# Allegro board RK_EVB7_RK3588_LP4XD200P232SD8_V11_20230111YWQ.brd (continued)
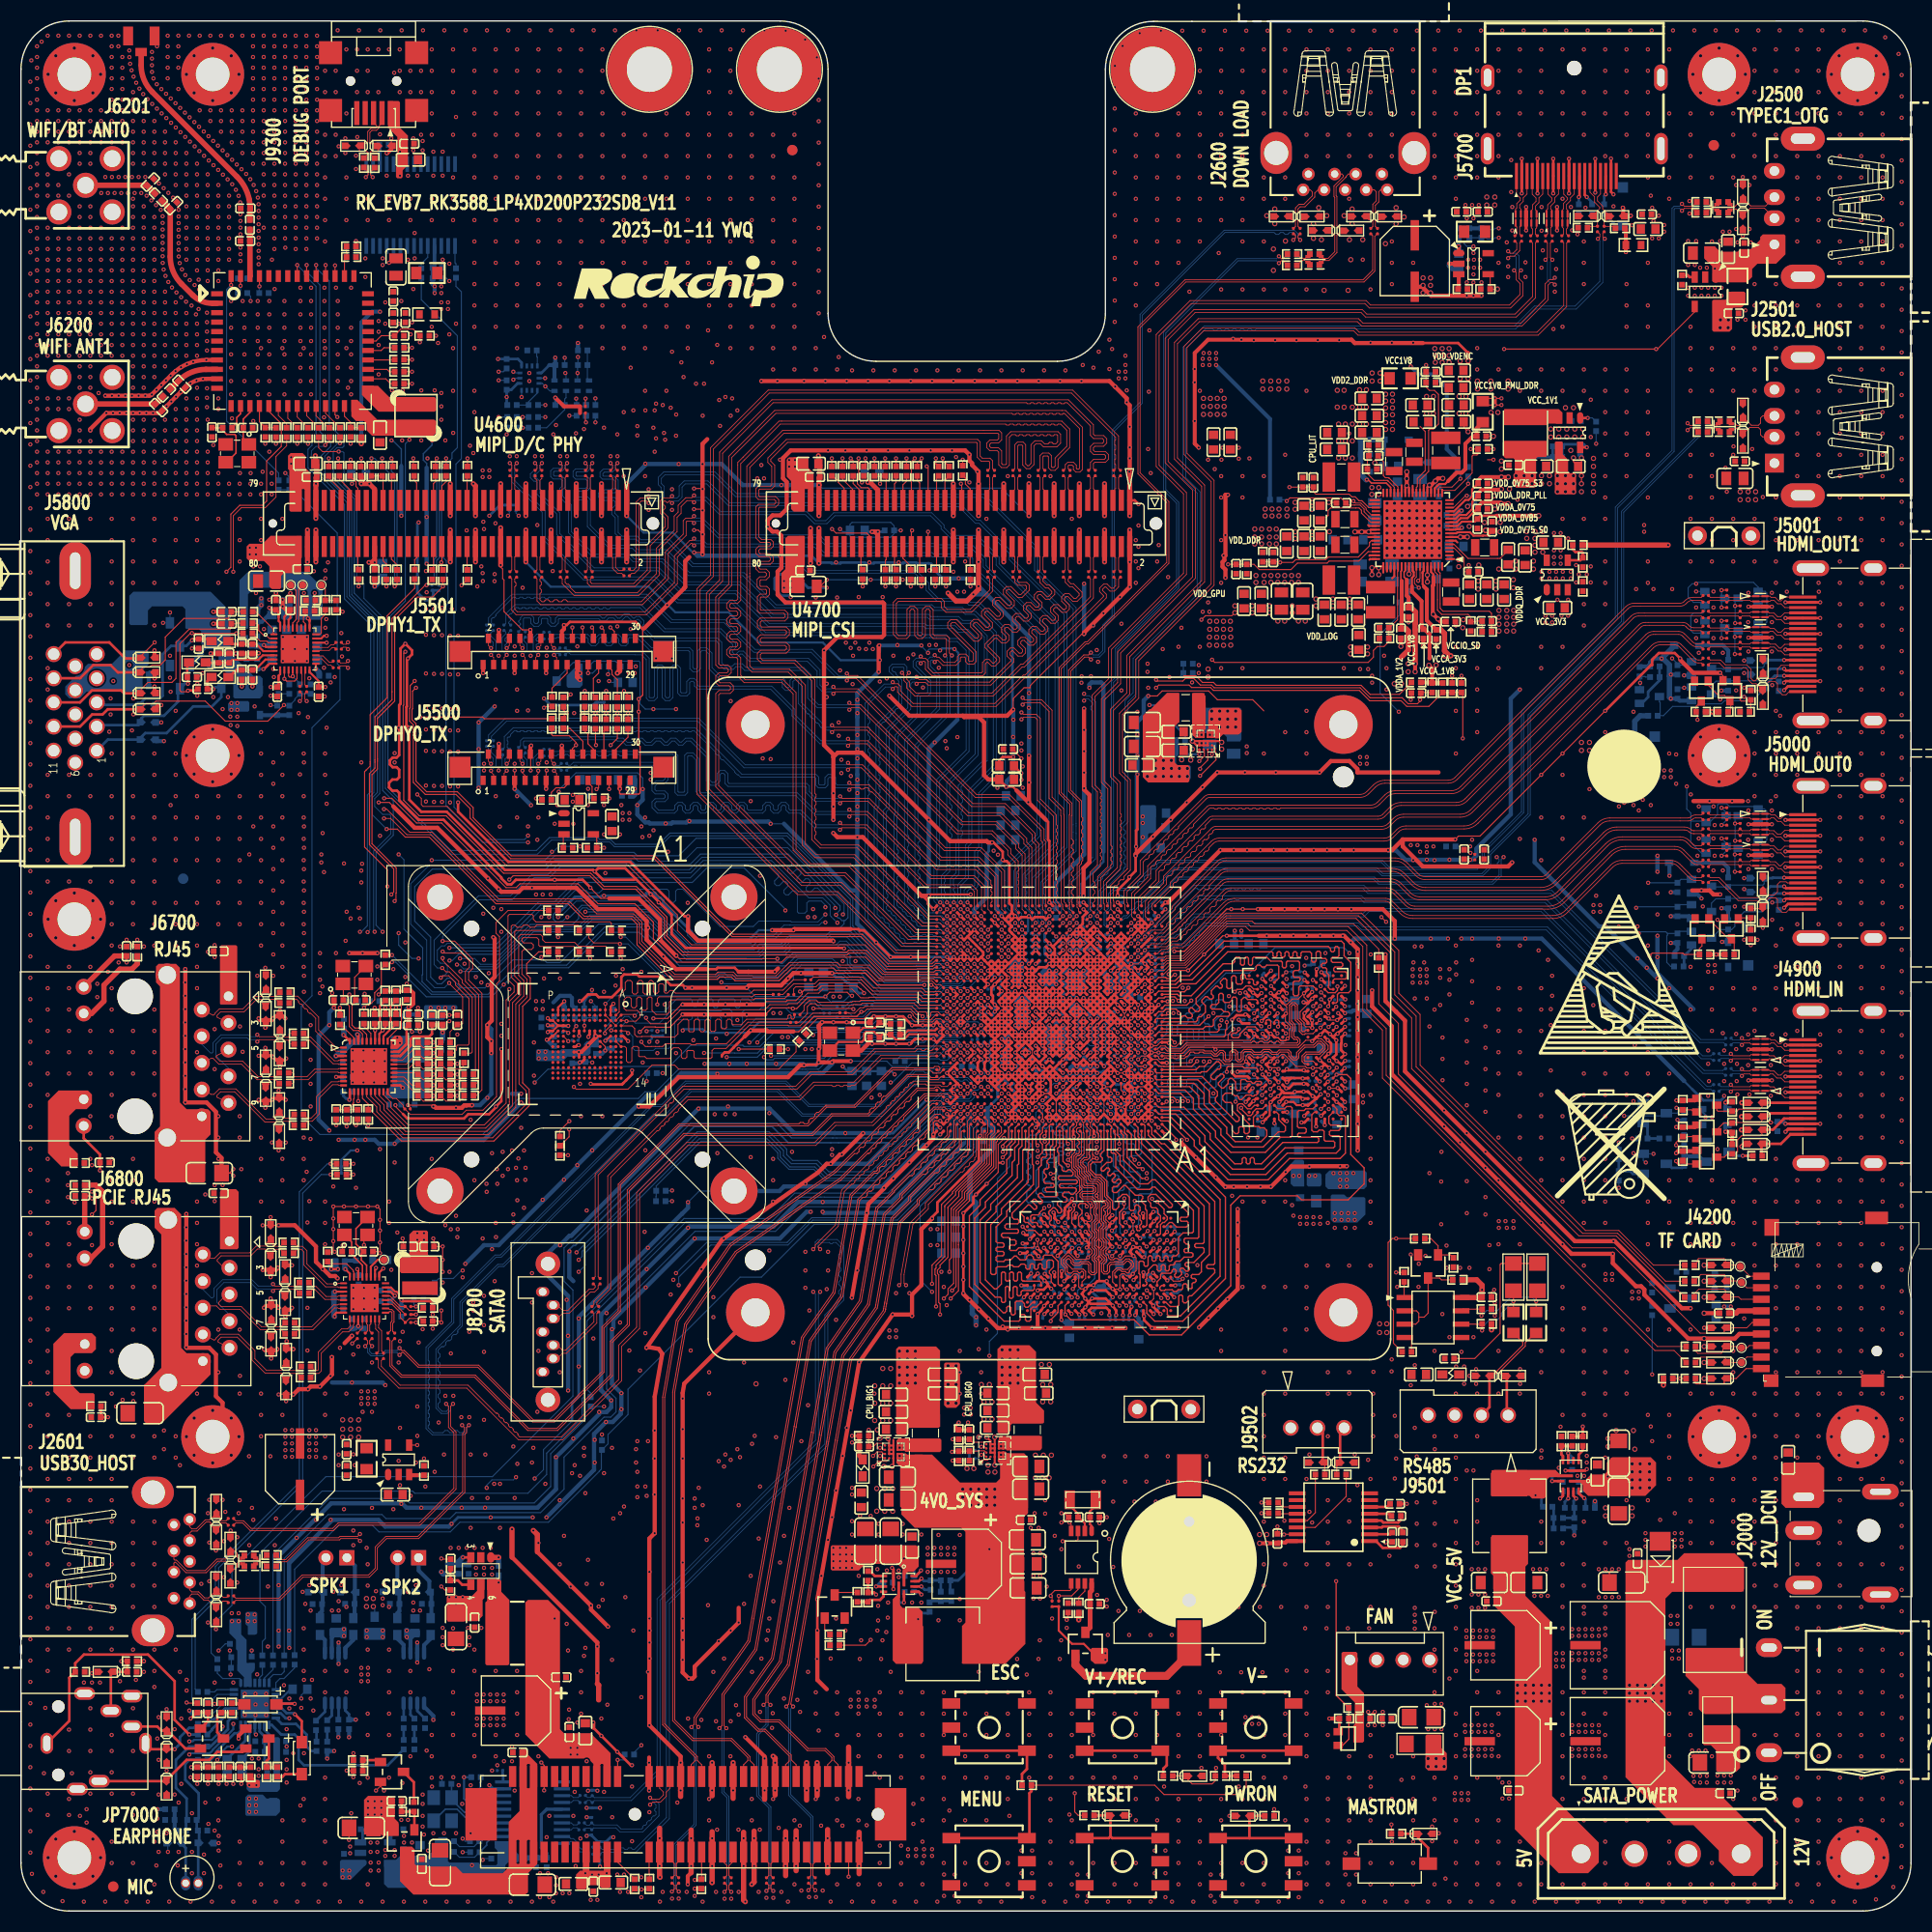
[diagram p0: board, top side]
## Routing (per net, layer and track width the routed paths; a pad name or vN(x,y) marks a point on that pad's centre or on a via; arc(x,y) is an arc through that point) (continued)
MIPI_CSI0_RX_D3N: length 107.1
  TOP w0.076: U1000.AL34 87.17,93.82 85.8,93.82 79.3,100.32 75.6,100.32 74.42,101.5 74.42,116.64 73.07,117.99 69.62,117.99 69.13,118.48 69.13,126.99 69.13,127.27 69.13,127.27 69.13,137.6 72.54,141.01 91.66,141.01 92.37,141.01 93.16,141.01 93.4,140.77 93.4,140.11 93.1,139.81 92.39,139.81 92.25,139.68 92.25,139.49 92.39,139.35 93.1,139.35 93.4,139.06 93.4,137.85 93.5,137.75 93.78,137.75 93.85,137.82 93.85,140.48 94.26,140.88 98.77,140.88 99.01,140.64 99.01,139.79 98.66,139.44 97.38,139.44 97.07,139.74 96.67,139.74 96.47,139.54 96.47,137.74 96.09,137.36 95.75,137.36 95.4,137.71 95.4,139.54 95.33,139.61 95.01,139.61 94.93,139.54 94.93,137.37 R4716.1
MIPI_CSI0_RX_D3P: length 107.1
  TOP w0.076: R4718.1 94.65,137.37 94.65,139.65 94.89,139.89 95.44,139.89 95.68,139.65 95.68,137.82 95.86,137.64 95.97,137.64 96.19,137.86 96.19,139.65 96.56,140.02 97.19,140.02 97.49,139.72 97.81,139.72 97.88,139.79 97.88,139.79 97.96,139.87 98.19,139.87 98.26,139.79 98.26,139.79 98.34,139.72 98.54,139.72 98.73,139.91 98.73,140.53 98.65,140.6 98.43,140.6 98.32,140.5 98.1,140.5 97.99,140.6 97.76,140.6 97.66,140.5 97.43,140.5 97.33,140.6 97.1,140.6 97,140.5 96.77,140.5 96.67,140.6 96.44,140.6 96.34,140.5 96.11,140.5 96.01,140.6 95.78,140.6 95.68,140.5 95.45,140.5 95.35,140.6 95.12,140.6 95.02,140.5 94.79,140.5 94.69,140.6 94.38,140.6 94.13,140.36 94.13,137.71 93.89,137.47 93.38,137.47 93.12,137.73 93.12,138.94 92.98,139.07 92.27,139.07 91.97,139.37 91.97,139.79 92.27,140.09 92.98,140.09 93.12,140.22 93.12,140.65 93.04,140.73 92.37,140.73 91.77,140.73 72.65,140.73 69.41,137.48 69.41,127.39 69.41,127.11 69.41,118.6 69.74,118.27 73.19,118.27 74.7,116.75 74.7,101.62 75.72,100.6 79.42,100.6 85.91,94.1 87.54,94.1 U1000.AL33
MIPI_CSI1_CLK0N: length 2.6
  TOP w0.076: U4700.16 99.99,129.16 99.73,128.9 99.73,127.72 R4709.1
MIPI_CSI1_CLK0P: length 2.6
  TOP w0.076: U4700.18 99.19,129.15 99.45,128.89 99.45,127.72 R4711.1
MIPI_CSI1_CLK1N: length 2.6
  TOP w0.076: U4700.34 92.79,129.23 92.53,128.97 92.53,127.72 R4721.1
MIPI_CSI1_CLK1P: length 2.6
  TOP w0.076: R4723.1 92.25,127.72 92.25,128.95 91.99,129.21 U4700.36
MIPI_CSI1_D0N: length 2.6
  TOP w0.076: U4700.4 104.79,129.16 104.53,128.9 104.53,127.72 R4701.1
MIPI_CSI1_D0P: length 2.6
  TOP w0.076: U4700.6 103.99,129.15 104.25,128.89 104.25,127.72 R4703.1
MIPI_CSI1_D1N: length 2.6
  TOP w0.076: R4705.1 102.13,127.72 102.13,128.9 102.39,129.16 U4700.10
MIPI_CSI1_D1P: length 2.6
  TOP w0.076: R4707.1 101.85,127.72 101.85,128.89 101.59,129.15 U4700.12
MIPI_CSI1_D2N: length 2.6
  TOP w0.076: R4713.1 97.33,127.72 97.33,128.94 97.59,129.2 U4700.22
MIPI_CSI1_D2P: length 2.6
  TOP w0.076: U4700.24 96.79,129.24 97.05,128.98 97.05,127.72 R4715.1
MIPI_CSI1_D3N: length 2.6
  TOP w0.076: R4717.1 94.93,127.72 94.93,128.95 95.19,129.21 U4700.28
MIPI_CSI1_D3P: length 2.6
  TOP w0.076: U4700.30 94.39,129.22 94.65,128.96 94.65,127.72 R4719.1
MIPI_CSI1_RX_CLK0N: length 63.3
  TOP w0.076: v1(85.29,116.87) 85.43,117.01 86.13,117.01 86.39,116.75 92.37,116.75 94.55,118.93 94.55,119.27 94.19,119.63 94.19,119.86 94.34,120.01 94.45,120.01 94.95,119.51 95.37,119.51 95.67,119.81 95.67,120.23 95.22,120.68 95.22,120.87 95.35,121.01 95.54,121.01 96,120.56 96.42,120.56 96.71,120.85 96.71,121.27 96.26,121.73 96.26,121.92 96.4,122.05 96.59,122.05 97.04,121.6 97.46,121.6 97.76,121.9 97.76,122.32 97.3,122.77 97.3,122.96 97.44,123.09 97.63,123.09 98.08,122.64 98.5,122.64 98.8,122.94 98.8,123.36 98.35,123.81 98.35,124 98.48,124.14 98.67,124.14 99.12,123.68 99.54,123.68 99.84,123.98 99.84,124.4 99.39,124.85 99.39,125.04 99.52,125.18 99.71,125.18 100.17,124.73 100.59,124.73 101.05,125.19 101.05,125.59 100.24,126.41 99.99,126.41 99.73,126.66 99.73,126.87 R4709.2 ; v1(88.19,92.8) U1000.AJ32
  BOTTOM w0.076: v1(85.29,116.87) 85.23,116.93 85.22,116.93 85.11,117.04 84.91,117.04 84.73,116.87 84.73,114.47 82.68,112.41 82.68,104.97 82.4,104.69 82.4,98.44 82.56,98.28 82.56,98.05 82.4,97.9 82.4,97.67 82.56,97.52 82.56,97.29 82.4,97.14 82.4,96.93 82.56,96.78 82.56,96.55 82.4,96.4 82.4,96.17 82.56,96.02 82.56,95.79 82.4,95.64 82.4,95.46 82.62,95.25 82.68,95.25 82.74,95.25 82.9,95.09 82.9,95.03 82.9,94.96 83.06,94.8 83.13,94.8 83.19,94.8 83.35,94.64 83.35,94.58 83.35,94.51 83.51,94.35 83.57,94.35 83.58,94.35 83.64,94.35 83.8,94.19 83.8,94.13 83.8,94.13 83.8,94.07 83.96,93.9 84.02,93.9 84.02,93.91 84.09,93.91 84.25,93.74 84.25,93.68 84.25,93.68 84.25,93.62 84.41,93.46 84.47,93.46 84.47,93.46 84.53,93.46 84.7,93.29 84.7,93.23 84.69,93.23 84.69,93.17 84.96,92.9 85.14,92.9 85.24,93 85.47,93 85.57,92.9 85.8,92.9 85.9,93 86.13,93 86.23,92.9 86.46,92.9 86.56,93 86.79,93 86.89,92.9 87.14,92.9 87.27,92.76 88.15,92.76 v1(88.19,92.8)
MIPI_CSI1_RX_CLK0P: length 63.4
  TOP w0.076: R4711.2 99.45,126.87 99.45,126.54 99.87,126.13 100.13,126.13 100.77,125.48 100.77,125.31 100.47,125 100.28,125 99.83,125.46 99.41,125.46 99.11,125.16 99.11,124.74 99.56,124.29 99.56,124.1 99.43,123.96 99.24,123.96 98.79,124.42 98.37,124.42 98.07,124.12 98.07,123.7 98.52,123.24 98.52,123.05 98.39,122.92 98.2,122.92 97.74,123.37 97.32,123.37 97.02,123.07 97.02,122.65 97.48,122.2 97.48,122.01 97.34,121.88 97.15,121.88 96.7,122.33 96.28,122.33 95.98,122.03 95.98,121.61 96.43,121.16 96.43,120.97 96.3,120.84 96.11,120.84 95.66,121.29 95.24,121.29 94.94,120.99 94.94,120.57 95.39,120.12 95.39,119.93 95.26,119.79 95.07,119.79 94.57,120.29 94.23,120.29 93.91,119.98 93.91,119.51 94.27,119.16 94.27,119.05 92.25,117.03 86.5,117.03 86.25,117.29 85.53,117.29 v1(85.29,117.53) ; U1000.AJ31 v1(88.84,92.8)
  BOTTOM w0.076: v1(85.29,117.53) 85.09,117.32 84.79,117.32 84.46,116.98 84.46,114.58 82.4,112.53 82.4,105.08 82.12,104.81 82.12,95.35 84.85,92.62 87.02,92.62 87.16,92.49 88.52,92.49 v1(88.84,92.8)
MIPI_CSI1_RX_CLK1N: length 62
  TOP w0.076: v1(88.66,119.57) 88.42,119.81 88.42,121.23 88.18,121.47 87,121.47 86.87,121.6 86.87,123.95 86.57,124.25 86.15,124.25 85.85,123.95 85.85,121.6 85.72,121.47 85.53,121.47 85.39,121.6 85.39,123.95 85.1,124.25 84.67,124.25 84.38,123.95 84.38,121.6 84.24,121.47 83.59,121.47 83.36,121.7 83.36,124.53 83.57,124.73 87.54,124.73 87.65,124.62 87.65,124.13 88.09,123.69 90.53,123.69 92.53,125.69 92.53,126.87 R4721.2 ; U1000.AM32 v1(88.19,94.75)
  BOTTOM w0.076: v1(88.66,119.57) 88.48,119.4 88.48,113.99 85.41,110.92 85.41,102.38 85.52,102.28 85.62,102.17 85.62,101.94 85.52,101.84 85.41,101.73 85.41,101.5 85.52,101.4 85.62,101.29 85.62,101.06 85.52,100.96 85.41,100.85 85.41,100.62 85.52,100.52 85.62,100.41 85.62,100.18 85.52,100.08 85.41,99.97 85.41,99.75 85.52,99.64 85.62,99.53 85.62,99.31 85.52,99.2 85.41,99.09 85.41,98.87 85.52,98.76 85.62,98.66 85.62,98.43 85.52,98.32 85.41,98.22 85.41,97.99 85.52,97.88 85.62,97.78 85.62,97.55 85.52,97.44 85.41,97.34 85.41,97.11 85.52,97 85.62,96.9 85.62,96.67 85.52,96.56 85.41,96.46 85.41,96.14 86.49,95.06 86.86,95.06 87.58,95.06 87.82,95.06 88.12,94.75 v1(88.19,94.75)
MIPI_CSI1_RX_CLK1P: length 62
  TOP w0.076: U1000.AM31 v1(88.84,94.75) ; R4723.2 92.25,126.87 92.25,125.81 90.41,123.97 88.2,123.97 87.93,124.24 87.93,124.74 87.66,125.01 83.45,125.01 83.08,124.64 83.08,121.58 83.48,121.19 84.36,121.19 84.66,121.48 84.66,123.83 84.79,123.97 84.98,123.97 85.11,123.83 85.11,121.48 85.41,121.19 85.83,121.19 86.13,121.48 86.13,123.83 86.26,123.97 86.45,123.97 86.59,123.83 86.59,121.48 86.88,121.19 88.06,121.19 88.14,121.11 88.14,119.71 v1(88,119.57)
  BOTTOM w0.076: v1(88,119.57) 88.2,119.38 88.2,114.1 85.13,111.04 85.13,96.02 86.37,94.78 86.97,94.78 86.97,94.78 87.7,94.78 88.06,94.42 88.51,94.42 v1(88.84,94.75)
MIPI_CSI1_RX_D0N: length 63.7
  TOP w0.076: U1000.AG32 88.52,91.18 v1(88.19,91.5) ; v1(83.02,116.38) 83.24,116.6 83.4,116.6 83.48,116.53 83.48,116.09 84.85,114.72 92.86,114.72 95.57,117.43 95.73,117.43 103.37,125.06 103.37,125.4 103,125.77 103,125.88 103.22,126.09 103.32,126.09 103.71,125.7 104.14,125.7 104.53,126.1 104.53,126.87 R4701.2
  BOTTOM w0.076: v1(83.02,116.38) 82.84,116.57 82.33,116.57 80.68,114.92 80.68,113.6 80.85,113.43 80.85,113.2 80.68,113.03 80.68,112.8 80.85,112.63 80.85,112.4 80.68,112.23 80.68,112 80.85,111.83 80.85,111.6 80.68,111.43 80.68,111.2 80.85,111.03 80.85,110.8 80.68,110.63 80.68,110.4 80.85,110.23 80.85,110 80.68,109.83 80.68,109.5 80.8,109.38 80.8,109.15 80.68,109.03 80.68,108.8 80.8,108.68 80.8,108.45 80.68,108.33 80.68,108.11 80.8,107.98 80.8,107.76 80.68,107.63 80.68,107.41 80.8,107.29 80.8,107.06 80.68,106.94 80.68,106.71 80.8,106.59 80.8,106.36 80.68,106.24 80.68,94.47 83.64,91.51 88.07,91.51 88.08,91.5 v1(88.19,91.5)
MIPI_CSI1_RX_D0P: length 63.7
  TOP w0.076: v1(88.84,91.5) 89.17,91.18 U1000.AG31 ; R4703.2 104.25,126.87 104.25,126.21 104.02,125.98 103.83,125.98 103.44,126.37 103.1,126.37 102.72,125.99 102.72,125.65 103.09,125.28 103.09,125.18 95.62,117.71 95.45,117.71 92.75,115 84.96,115 83.76,116.21 83.76,116.64 83.52,116.88 83.18,116.88 v1(83.02,117.04)
  BOTTOM w0.076: v1(88.84,91.5) 88.52,91.19 88.06,91.19 88.02,91.22 87.96,91.22 87.96,91.23 83.52,91.23 80.4,94.35 80.4,115.03 82.21,116.85 82.84,116.85 v1(83.02,117.04)
MIPI_CSI1_RX_D1N: length 62.2
  TOP w0.076: v1(88.19,92.15) 88.52,91.83 U1000.AH32 ; v1(83.9,117.92) 84.09,117.73 84.09,117.18 84.35,116.91 84.35,116.49 85.13,115.71 92.58,115.71 95.34,118.47 95.55,118.47 102.13,125.05 102.13,126.87 R4705.2
  BOTTOM w0.076: v1(88.19,92.15) 88.15,92.11 86.91,92.11 86.88,92.14 86.7,92.14 86.6,92.24 86.37,92.24 86.27,92.14 86.04,92.14 85.94,92.24 85.71,92.24 85.61,92.14 85.38,92.14 85.28,92.24 85.05,92.24 84.95,92.14 84.33,92.14 84.19,92.28 84.19,92.45 84.03,92.62 83.85,92.62 83.69,92.78 83.69,92.95 83.53,93.11 83.36,93.11 83.19,93.28 83.19,93.45 83.03,93.61 82.86,93.61 82.7,93.77 82.7,93.95 82.53,94.11 82.36,94.11 82.2,94.27 82.2,94.45 82.04,94.61 81.86,94.61 81.54,94.93 81.54,105.05 81.71,105.22 81.71,105.78 81.81,105.88 81.81,106.11 81.71,106.21 81.71,106.44 81.81,106.54 81.81,106.77 81.71,106.87 81.71,107.1 81.81,107.2 81.81,107.43 81.71,107.53 81.71,107.76 81.81,107.86 81.81,108.09 81.71,108.19 81.71,108.45 81.81,108.56 81.81,108.79 81.71,108.89 81.71,109.12 81.81,109.22 81.81,109.45 81.71,109.55 81.71,109.78 81.81,109.88 81.81,110.11 81.71,110.21 81.71,110.44 81.81,110.54 81.81,110.77 81.71,110.87 81.71,112.83 82.1,113.22 82.16,113.22 82.22,113.22 82.38,113.38 82.38,113.44 82.38,113.49 82.54,113.66 82.6,113.66 82.65,113.66 82.81,113.82 82.81,113.87 82.81,113.87 82.81,113.93 82.98,114.09 83.03,114.09 83.03,114.09 83.09,114.09 83.25,114.25 83.25,114.31 83.25,114.31 83.25,114.37 83.41,114.53 83.47,114.53 83.47,114.53 83.52,114.53 83.69,114.69 83.69,114.74 83.69,114.75 83.69,114.8 83.87,114.99 83.87,117.25 83.34,117.78 83.34,117.89 83.21,118.02 83.1,118.02 82.96,118.16 82.96,118.33 83.08,118.46 84.01,118.46 84.09,118.38 84.09,118.11 v1(83.9,117.92)
MIPI_CSI1_RX_D1P: length 61.7
  TOP w0.076: U1000.AH31 89.17,91.83 v1(88.84,92.15) ; v1(84.56,117.92) 84.37,117.73 84.37,117.29 84.63,117.03 84.63,116.6 85.24,115.99 92.47,115.99 95.23,118.75 95.44,118.75 101.85,125.17 101.85,126.87 R4707.2
  BOTTOM w0.076: v1(84.56,117.92) 84.37,118.11 84.37,118.5 84.13,118.74 82.97,118.74 82.68,118.44 82.68,118.05 83.59,117.13 83.59,115.1 81.43,112.94 81.43,105.34 81.26,105.17 81.26,94.81 84.21,91.86 86.77,91.86 86.79,91.84 88.52,91.84 v1(88.84,92.15)
MIPI_CSI1_RX_D2N: length 63
  TOP w0.076: v1(88.19,93.45) U1000.AK32 ; v1(85.69,118.83) 85.88,119.01 86.04,119.01 86.13,118.92 86.13,118.26 86.75,117.64 91.59,117.64 91.85,117.9 91.85,118.79 91.98,118.91 92.08,118.91 92.43,118.57 92.77,118.57 93.2,119 93.2,119.33 92.1,120.44 92.1,120.55 92.76,121.21 92.95,121.21 93.4,120.76 93.82,120.76 94.12,121.06 94.12,121.48 93.67,121.93 93.67,122.12 93.8,122.25 93.99,122.25 94.44,121.8 94.86,121.8 95.16,122.1 95.16,122.52 94.71,122.97 94.71,123.16 94.84,123.29 95.03,123.29 95.48,122.84 95.9,122.84 96.2,123.14 96.2,123.56 95.75,124.01 95.75,124.2 95.89,124.34 96.07,124.34 96.52,123.89 96.95,123.89 97.24,124.18 97.24,124.6 96.79,125.05 96.79,125.24 96.93,125.38 97.12,125.38 97.57,124.93 97.99,124.93 98.45,125.39 98.45,125.78 97.96,126.28 97.69,126.28 97.33,126.63 97.33,126.87 R4713.2
  BOTTOM w0.076: v1(85.69,118.83) 85.48,119.04 85.37,119.04 85.24,118.91 85.24,118.6 86.62,117.21 86.62,115.95 86.38,115.71 85.7,115.71 85.62,115.64 85.62,113.96 83.54,111.88 83.54,104.42 83.42,104.3 83.42,101.87 83.49,101.8 83.56,101.73 83.56,101.5 83.49,101.43 83.42,101.36 83.42,101.13 83.49,101.06 83.56,101 83.56,100.77 83.49,100.7 83.42,100.63 83.42,100.41 83.49,100.34 83.56,100.27 83.56,100.04 83.49,99.97 83.42,99.9 83.42,99.67 83.49,99.6 83.56,99.53 83.56,99.31 83.49,99.24 83.42,99.17 83.42,98.94 83.49,98.87 83.56,98.8 83.56,98.57 83.49,98.5 83.42,98.43 83.42,98.21 83.49,98.14 83.56,98.07 83.56,97.84 83.49,97.77 83.42,97.7 83.42,97.47 83.49,97.4 83.56,97.33 83.56,97.1 83.49,97.04 83.42,96.97 83.42,96.74 83.49,96.67 83.56,96.6 83.56,96.37 83.49,96.3 83.42,96.23 83.42,95.79 83.67,95.54 83.77,95.54 83.95,95.36 83.95,95.27 84.05,95.16 84.15,95.16 84.3,95.01 84.3,94.91 84.47,94.75 84.64,94.75 84.8,94.59 84.8,94.41 84.97,94.25 85.14,94.25 85.31,94.08 85.31,93.91 85.44,93.77 87.28,93.77 87.64,93.41 88.15,93.41 v1(88.19,93.45)
MIPI_CSI1_RX_D2P: length 63
  TOP w0.076: v1(88.84,93.45) U1000.AK31 ; R4715.2 97.05,126.87 97.05,126.52 97.57,126 97.84,126 98.17,125.67 98.17,125.51 97.87,125.21 97.68,125.21 97.23,125.66 96.81,125.66 96.51,125.36 96.51,124.94 96.96,124.49 96.96,124.3 96.83,124.16 96.64,124.16 96.19,124.61 95.77,124.61 95.47,124.32 95.47,123.9 95.92,123.45 95.92,123.26 95.79,123.12 95.6,123.12 95.15,123.57 94.73,123.57 94.43,123.27 94.43,122.85 94.88,122.4 94.88,122.21 94.75,122.08 94.56,122.08 94.11,122.53 93.69,122.53 93.39,122.23 93.39,121.81 93.84,121.36 93.84,121.17 93.7,121.04 93.51,121.04 93.06,121.49 92.64,121.49 91.82,120.66 91.82,120.32 92.92,119.22 92.92,119.11 92.66,118.85 92.55,118.85 92.2,119.19 91.86,119.19 91.57,118.9 91.57,118.01 91.48,117.92 86.87,117.92 86.41,118.38 86.41,119.04 86.15,119.29 85.88,119.29 v1(85.69,119.48)
  BOTTOM w0.076: v1(88.84,93.45) 88.52,93.13 87.53,93.13 87.17,93.49 85.32,93.49 83.14,95.68 83.14,104.42 83.26,104.54 83.26,111.99 85.34,114.08 85.34,115.75 85.58,115.99 86.27,115.99 86.34,116.07 86.34,117.1 84.96,118.48 84.96,119.03 85.25,119.32 85.53,119.32 v1(85.69,119.48)
MIPI_CSI1_RX_D3N: length 63.7
  TOP w0.076: R4717.2 94.93,126.87 94.93,126.66 95.06,126.53 95.78,126.53 96.02,126.29 96.02,125.78 95.34,125.1 94.92,125.1 94.17,125.86 93.98,125.86 93.84,125.72 93.84,125.53 94.6,124.78 94.6,124.36 94.3,124.06 93.88,124.06 93.13,124.81 92.94,124.81 92.8,124.68 92.8,124.49 93.56,123.74 93.56,123.31 93.26,123.02 92.84,123.02 92.08,123.77 91.89,123.77 91.76,123.64 91.76,123.45 92.51,122.69 92.51,122.27 92.22,121.97 91.8,121.97 91.04,122.73 90.85,122.73 90.72,122.59 90.72,122.41 91.47,121.65 91.47,121.23 91.17,120.93 90.75,120.93 88.98,122.7 88.67,122.7 88.54,122.58 88.54,122.34 90.98,119.9 90.98,119 90.74,118.76 90.18,118.76 89.94,119 89.94,119.34 89.87,119.42 89.54,119.42 89.46,119.34 89.46,119.05 89.04,118.63 87.81,118.63 87.31,119.13 87.2,119.13 v1(87.02,118.95) ; U1000.AL32 v1(88.19,94.1)
  BOTTOM w0.076: v1(88.19,94.1) 87.84,94.1 87.51,94.44 86.1,94.44 85.97,94.56 85.97,94.62 85.97,94.63 85.97,94.69 85.81,94.85 85.75,94.85 85.68,94.85 85.52,95.01 85.52,95.07 85.52,95.08 85.52,95.14 85.36,95.3 85.3,95.3 85.23,95.3 85.07,95.46 85.07,95.52 85.07,95.53 85.07,95.59 84.91,95.75 84.85,95.75 84.78,95.75 84.42,96.11 84.42,96.35 84.55,96.48 84.55,96.71 84.42,96.83 84.42,97.06 84.55,97.19 84.55,97.42 84.42,97.54 84.42,97.77 84.55,97.9 84.55,98.13 84.42,98.26 84.42,98.48 84.55,98.61 84.55,98.84 84.42,98.97 84.42,99.19 84.55,99.32 84.55,99.55 84.42,99.68 84.42,99.91 84.55,100.03 84.55,100.26 84.42,100.39 84.42,100.62 84.55,100.74 84.55,100.97 84.42,101.1 84.42,101.33 84.55,101.46 84.55,101.68 84.42,101.81 84.42,102.04 84.55,102.17 84.55,102.4 84.42,102.52 84.42,111.41 87.49,114.47 87.49,117.68 86.62,118.55 86.62,119.05 86.71,119.14 86.83,119.14 v1(87.02,118.95)
MIPI_CSI1_RX_D3P: length 63.8
  TOP w0.076: R4719.2 94.65,126.87 94.65,126.54 94.94,126.25 95.67,126.25 95.74,126.18 95.74,125.9 95.23,125.38 95.04,125.38 94.28,126.14 93.86,126.14 93.56,125.84 93.56,125.42 94.32,124.66 94.32,124.47 94.19,124.34 94,124.34 93.24,125.09 92.82,125.09 92.52,124.8 92.52,124.37 93.28,123.62 93.28,123.43 93.14,123.3 92.95,123.3 92.2,124.05 91.78,124.05 91.48,123.75 91.48,123.33 92.24,122.58 92.24,122.39 92.1,122.25 91.91,122.25 91.16,123.01 90.74,123.01 90.44,122.71 90.44,122.29 91.19,121.53 91.19,121.35 91.06,121.21 90.87,121.21 89.1,122.98 88.55,122.98 88.26,122.7 88.26,122.23 90.7,119.79 90.7,119.12 90.63,119.04 90.3,119.04 90.22,119.12 90.22,119.46 89.98,119.7 89.43,119.7 89.18,119.45 89.18,119.17 88.93,118.91 87.92,118.91 87.42,119.41 87.22,119.41 v1(87.02,119.61) ; U1000.AL31 v1(88.84,94.1)
  BOTTOM w0.076: v1(87.02,119.61) 86.83,119.42 86.59,119.42 86.34,119.17 86.34,118.44 87.21,117.57 87.21,114.59 84.14,111.52 84.14,96 85.98,94.16 87.4,94.16 87.78,93.77 88.51,93.77 v1(88.84,94.1)
MIPI_DPHY0_RX_CLKN: length 81.6
  TOP w0.076: v1(52.01,137.9) 51.82,137.71 51.82,137.37 R4608.1 ; U1000.AP31 v1(88.84,96.05)
  BOTTOM w0.076: v1(52.01,137.9) 51.82,137.71 51.82,137.41 51.52,137.12 50.8,137.12 50.72,137.04 50.72,136.73 50.8,136.66 51.52,136.66 51.82,136.36 51.82,135.61 51.59,135.37 51.59,134.76 52.43,133.92 52.43,131.36 54.58,129.2 57.98,129.2 58.4,128.78 61.14,128.78 63.32,126.6 68.5,126.6 71.61,123.48 86.45,123.48 86.65,123.28 87.31,123.28 89.31,123.28 89.68,122.91 90.55,122.91 92.02,121.45 92.02,109.56 89.54,107.08 89.54,106.79 89.69,106.63 89.69,106.4 89.54,106.25 89.54,106.02 89.69,105.87 89.69,105.64 89.54,105.49 89.54,105.2 89.69,105.04 89.69,104.82 89.54,104.66 89.54,104.44 89.69,104.28 89.69,104.05 89.54,103.9 89.54,103.67 89.69,103.52 89.69,103.29 89.54,103.14 89.54,102.91 89.69,102.76 89.69,102.53 89.54,102.38 89.54,101.93 89.33,101.73 89.33,98.75 88.8,98.21 88.8,97.7 88.93,97.58 88.93,97.45 88.8,97.32 88.8,97.2 88.93,97.07 88.93,96.94 88.8,96.81 88.8,96.69 88.93,96.56 88.93,96.43 88.8,96.31 88.8,96.1 v1(88.84,96.05)
MIPI_DPHY0_RX_CLKP: length 81.3
  TOP w0.076: R4610.1 51.54,137.37 51.54,137.71 v1(51.36,137.9) ; U1000.AN32 v1(88.84,95.4)
  BOTTOM w0.076: v1(51.36,137.9) 51.54,137.71 51.54,137.53 51.41,137.39 50.68,137.39 50.44,137.15 50.44,136.62 50.68,136.38 51.41,136.38 51.54,136.24 51.54,135.72 51.31,135.49 51.31,134.65 52.15,133.81 52.15,131.24 54.47,128.92 57.87,128.92 58.29,128.5 61.02,128.5 63.21,126.32 68.39,126.32 71.5,123.21 86.33,123.21 86.54,123 87.37,123 89.19,123 89.56,122.63 90.44,122.63 91.74,121.33 91.74,109.68 89.26,107.19 89.26,102.05 89.05,101.84 89.05,98.86 88.52,98.33 88.52,95.73 v1(88.84,95.4)
MIPI_DPHY0_RX_D0N: length 82.5
  TOP w0.076: R4600.1 56.62,137.37 56.62,137.71 v1(56.8,137.9) ; U1000.AP29 v1(90.14,96.05)
  BOTTOM w0.076: v1(90.14,96.05) 90.1,96.09 90.1,96.21 90.27,96.38 90.27,96.49 90.1,96.65 90.1,97.1 90.32,97.32 90.87,97.32 91.11,97.56 91.11,97.74 91.21,97.84 91.21,98.07 91.11,98.17 91.11,98.4 91.21,98.5 91.21,98.73 91.11,98.83 91.11,99.06 91.21,99.16 91.21,99.39 91.11,99.49 91.11,99.72 91.21,99.82 91.21,100.05 91.11,100.15 91.11,100.83 91.49,101.22 91.49,106.37 93.75,108.63 93.75,122.17 91.27,124.64 90.39,124.64 90.02,125.01 87.37,125.01 86.48,125.9 86.48,126.45 85.25,127.68 75.08,127.68 74.43,128.32 64.04,128.32 61.77,130.6 59.03,130.6 58.7,130.93 58.49,130.93 57.24,130.93 56.87,131.3 56.87,132.81 56.54,133.14 56.54,133.43 56.87,133.76 56.87,134.32 56.57,134.62 55.43,134.62 55.3,134.75 55.3,134.94 55.43,135.07 56.57,135.07 56.87,135.37 56.87,136.28 56.5,136.65 55.48,136.65 55.42,136.71 55.42,136.9 55.56,137.03 56.32,137.03 56.62,137.33 56.62,137.71 v1(56.8,137.9)
MIPI_DPHY0_RX_D0P: length 82.7
  TOP w0.076: v1(56.15,137.9) 56.34,137.71 56.34,137.37 R4602.1 ; U1000.AN29 v1(90.14,95.4)
  BOTTOM w0.076: v1(56.15,137.9) 56.34,137.71 56.34,137.45 56.2,137.31 55.44,137.31 55.14,137.01 55.14,136.59 55.37,136.37 56.38,136.37 56.59,136.16 56.59,135.49 56.46,135.35 55.31,135.35 55.02,135.06 55.02,134.64 55.31,134.34 56.46,134.34 56.59,134.2 56.59,133.87 56.26,133.54 56.26,133.02 56.59,132.69 56.59,131.18 57.12,130.65 58.38,130.65 58.58,130.65 58.92,130.32 61.65,130.32 63.92,128.04 74.32,128.04 74.97,127.4 85.14,127.4 86.2,126.33 86.2,125.78 87.25,124.73 89.91,124.73 90.28,124.36 91.15,124.36 93.47,122.05 93.47,108.74 91.21,106.49 91.21,101.33 90.83,100.95 90.83,97.68 90.75,97.6 90.21,97.6 89.82,97.22 89.82,95.72 v1(90.14,95.4)
MIPI_DPHY0_RX_D1N: length 81.7
  TOP w0.076: U1000.AP30 v1(89.49,96.05) ; R4604.1 54.22,137.37 54.22,137.71 v1(54.41,137.9)
  BOTTOM w0.076: v1(54.41,137.9) 54.22,137.71 54.22,137.37 53.92,137.07 52.93,137.07 52.86,136.99 52.86,136.73 52.93,136.65 53.89,136.65 54.22,136.32 54.22,135.55 53.88,135.21 53.06,135.21 52.98,135.13 52.98,134.75 53.06,134.67 53.98,134.67 54.22,134.43 54.22,131.97 56.12,130.07 58.34,130.07 58.76,129.65 61.49,129.65 63.68,127.46 68.86,127.46 71.92,124.4 86.75,124.4 87.01,124.15 89.67,124.15 90.03,123.78 90.91,123.78 92.88,121.81 92.88,108.99 90.55,106.66 90.55,101.72 90.22,101.39 90.22,98.36 89.49,97.64 v1(89.49,96.05)
MIPI_DPHY0_RX_D1P: length 82.6
  TOP w0.076: R4606.1 53.94,137.37 53.94,137.71 v1(53.76,137.9) ; U1000.AN30 v1(89.49,95.4)
  BOTTOM w0.076: v1(53.76,137.9) 53.94,137.71 53.94,137.48 53.81,137.35 52.82,137.35 52.58,137.11 52.58,136.61 52.82,136.37 53.77,136.37 53.94,136.2 53.94,135.67 53.76,135.49 52.94,135.49 52.71,135.25 52.71,134.63 52.94,134.39 53.87,134.39 53.94,134.32 53.94,131.85 56,129.79 58.22,129.79 58.64,129.37 61.38,129.37 63.56,127.18 68.75,127.18 71.81,124.12 86.64,124.12 86.89,123.87 89.55,123.87 89.92,123.5 90.8,123.5 92.6,121.69 92.6,109.1 90.27,106.77 90.27,101.84 89.94,101.51 89.94,98.48 89.21,97.75 89.21,96.21 89.17,96.17 89.17,95.55 89.32,95.4 v1(89.49,95.4)
MIPI_DPHY0_RX_D2N: length 81.1
  TOP w0.076: v1(49.61,137.9) 49.42,137.71 49.42,137.37 R4612.1 ; U1000.AP32 v1(88.19,96.05)
  BOTTOM w0.076: v1(49.61,137.9) 49.42,137.71 49.42,137.21 49.12,136.91 48.95,136.91 48.79,136.75 48.79,136.61 48.95,136.45 49.12,136.45 49.42,136.16 49.42,135.05 51.3,133.17 51.3,131.21 54.59,127.92 60.78,127.92 62.96,125.73 68.15,125.73 71.26,122.62 86.09,122.62 86.29,122.42 86.29,122.42 87.61,122.42 88.95,122.42 89.32,122.05 90.2,122.05 91.15,121.09 91.15,110.08 88.44,107.37 88.44,105.49 88.67,105.26 88.67,105.03 88.44,104.8 88.44,104.57 88.67,104.34 88.67,104.12 88.44,103.89 88.44,103.66 88.67,103.43 88.67,103.2 88.44,102.97 88.44,102.74 88.67,102.52 88.67,102.29 88.44,102.06 88.44,99 87.93,98.49 87.93,98.31 88.04,98.21 88.04,98.06 87.93,97.96 87.93,97.78 88.04,97.67 88.04,97.45 87.93,97.34 87.93,97.12 88.04,97.01 88.04,96.79 87.93,96.68 87.93,96.51 88.14,96.3 88.14,96.11 v1(88.19,96.05)
MIPI_DPHY0_RX_D2P: length 80.9
  TOP w0.076: U1000.AN33 v1(88.19,95.4) ; v1(48.96,137.9) 49.14,137.71 49.14,137.37 R4614.1
  BOTTOM w0.076: v1(48.96,137.9) 49.14,137.71 49.14,137.32 49.01,137.19 48.84,137.19 48.51,136.87 48.51,136.5 48.84,136.17 49.01,136.17 49.14,136.04 49.14,134.93 51.02,133.06 51.02,131.09 54.47,127.64 60.66,127.64 62.85,125.45 68.03,125.45 71.14,122.34 85.97,122.34 86.18,122.14 87.12,122.14 87.72,122.14 88.83,122.14 89.2,121.77 90.08,121.77 90.88,120.98 90.88,110.19 88.16,107.48 88.16,99.11 87.66,98.61 87.66,96.39 87.86,96.19 87.86,95.74 v1(88.19,95.4)
MIPI_DPHY0_RX_D3N: length 80
  TOP w0.076: R4616.1 47.02,137.37 47.02,137.71 v1(47.21,137.9) ; U1000.AP33 v1(87.54,96.05)
  BOTTOM w0.076: v1(87.54,96.05) 87.49,96.05 87.23,96.31 87.23,99.17 87.49,99.43 87.49,99.66 87.49,107.64 90.29,110.44 90.29,120.18 89.28,121.19 88.47,121.19 88.1,121.55 87.3,121.55 86.65,121.55 86.65,121.55 86.28,121.55 85.94,121.55 85.73,121.76 70.9,121.76 67.79,124.87 62.61,124.87 60.42,127.06 53.68,127.06 49.91,130.83 49.91,133.33 47.02,136.23 47.02,137.71 v1(47.21,137.9)
MIPI_DPHY0_RX_D3P: length 80.7
  TOP w0.076: v1(46.56,137.9) 46.74,137.71 46.74,137.37 R4618.1 ; U1000.AN34 v1(87.54,95.4)
  BOTTOM w0.076: v1(46.56,137.9) 46.74,137.71 46.74,136.11 49.63,133.22 49.63,130.71 53.57,126.78 60.3,126.78 62.49,124.59 67.67,124.59 70.78,121.48 85.62,121.48 85.82,121.27 86.17,121.27 86.54,121.27 86.54,121.27 86.59,121.27 86.77,121.27 86.77,121.27 87.18,121.27 87.99,121.27 88.36,120.91 89.17,120.91 90.01,120.06 90.01,110.56 87.21,107.75 87.21,99.54 86.95,99.29 86.95,96.19 87.54,95.6 v1(87.54,95.4)
MIPI_DPHY0_TX_CLKN: length 59.4
  TOP w0.076: v1(78.01,106.16) 78.2,105.97 80.78,105.97 87.28,99.47 88.11,99.47 88.25,99.61 88.47,99.61 88.62,99.47 88.84,99.47 88.98,99.61 89.21,99.61 89.35,99.47 89.58,99.47 89.72,99.61 89.95,99.61 90.09,99.47 90.32,99.47 90.46,99.61 90.69,99.61 90.83,99.47 91.03,99.47 92.37,98.13 92.37,97.77 92.43,97.71 92.48,97.66 92.48,97.43 92.43,97.38 92.37,97.32 92.37,97.14 92.43,97.09 92.48,97.03 92.48,96.8 92.43,96.75 92.37,96.7 92.37,96.47 92.43,96.41 92.48,96.36 92.48,96.13 92.43,96.07 92.37,96.02 92.37,95.77 U1000.AP26
  BOTTOM w0.076: v1(78.01,106.16) 77.82,105.97 75.71,105.97 75.08,106.59 75.08,107.14 74.84,107.38 67.45,107.38 67.31,107.51 67.31,108.33 67.02,108.63 66.59,108.63 66.3,108.33 66.3,107.73 66.06,107.49 65.82,107.49 65.54,107.77 65.54,110.04 63.88,111.7 63.28,111.7 62.9,111.32 62.75,111.32 62.37,111.7 61.89,111.7 61.5,111.32 61.36,111.32 60.97,111.7 60.38,111.7 59.97,111.29 59.58,111.29 59.17,111.7 58.55,111.7 58.14,111.29 57.75,111.29 57.34,111.7 56.91,111.7 56.78,111.83 52.36,111.83 52.24,111.71 47.81,111.71 47.57,111.47 47.57,110.98 R5504.2
